# KiCad board SHEGO75-V3.kicad_pcb
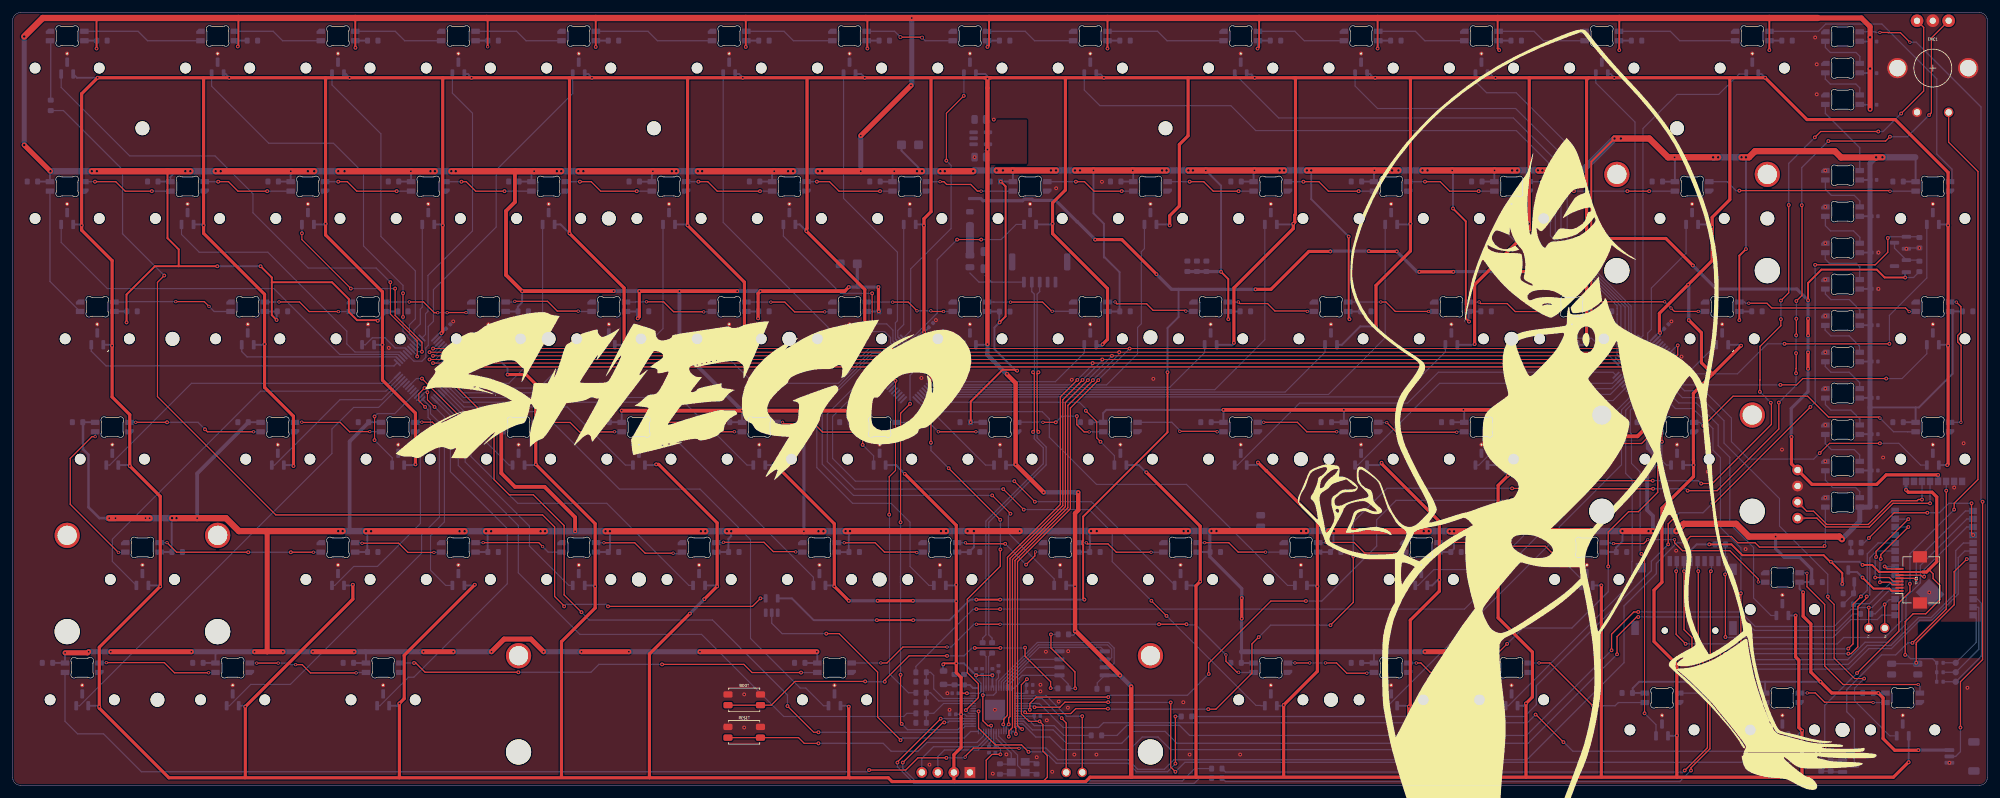
[diagram p0: board, top side]
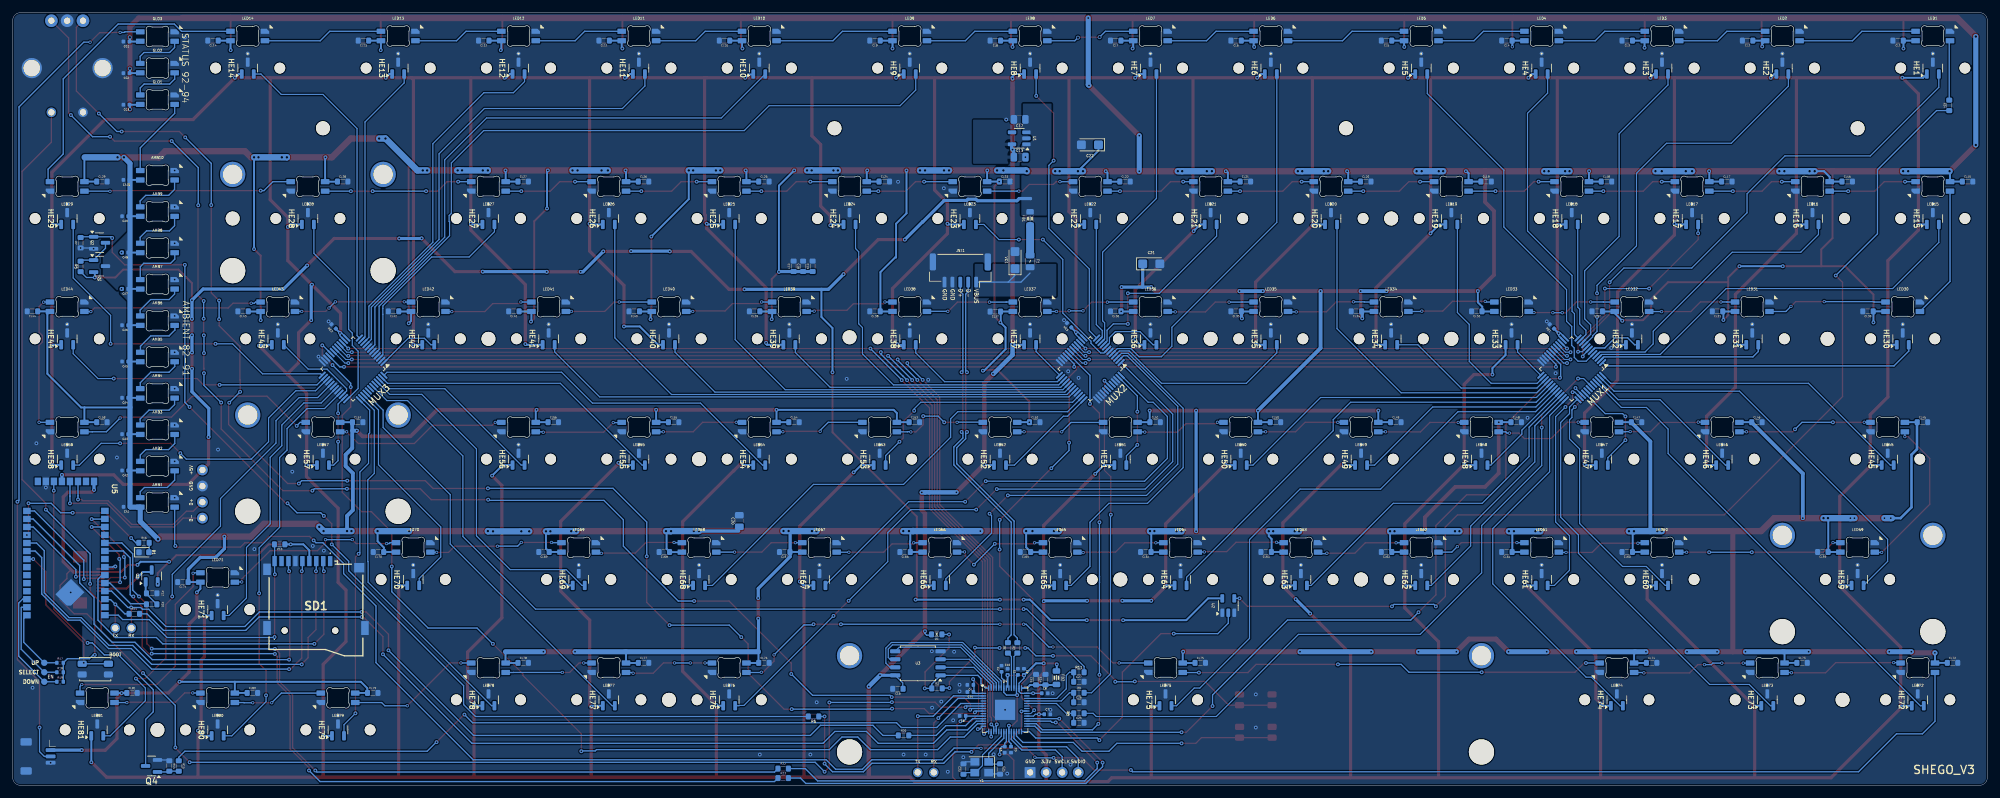
[diagram p1: board, bottom side, seen from below]

Outline 312.54 x 122.34 mm; copper layers: Top, Bottom. Coordinates in mm from the lower left corner of the outline.
Outline path: 0,121.09 arc(0.37,121.97) 1.25,122.34 311.29,122.34 arc(312.17,121.97) 312.54,121.09 312.54,1.25 arc(312.17,0.37) 311.29,0 1.25,0 arc(0.37,0.37) 0,1.25 0,121.09

## Placement (name value [footprint] x y rotation side)
AMB1  SK6812  [LED_6028R]  289.62 44.8 0 bottom
AMB2  SK6812  [LED_6028R]  289.62 50.55 0 bottom
AMB3  SK6812  [LED_6028R]  289.62 56.31 0 bottom
AMB4  SK6812  [LED_6028R]  289.62 62.06 0 bottom
AMB5  SK6812  [LED_6028R]  289.62 67.82 0 bottom
AMB6  SK6812  [LED_6028R]  289.62 73.57 0 bottom
AMB7  SK6812  [LED_6028R]  289.62 79.33 0 bottom
AMB8  SK6812  [LED_6028R]  289.62 85.08 0 bottom
AMB9  SK6812  [LED_6028R]  289.62 90.83 0 bottom
AMB10  SK6812  [LED_6028R]  289.62 96.59 0 bottom
BOOT1  BOOTSEL  [SW_SPST_EVQP2_MiddlePushTravel_H2.5mm]  115.79 13.54 0 top
C1  1u  [C_0402]  153.44 17.98 90 bottom
C2  0.1u  [C_0402]  156.03 18.47 90 bottom
C3  0.1u  [C_0402]  154.53 5.66 270 bottom
C4  0.1u  [C_0402]  160.96 15.91 0 bottom
C5  0.1u  [C_0402]  162.18 11.01 0 bottom
C6  0.1u  [C_0402]  155.53 5.66 270 bottom
C7  0.1u  [C_0402]  148.78 11.26 180 bottom
C8  0.1u  [C_0402]  149.18 14.58 180 bottom
C9  0.1u  [C_0402]  152.48 17.98 90 bottom
C10  0.1u  [C_0402]  155.07 17.98 90 bottom
C11  1u  [C_0402]  160.96 14.78 0 bottom
C12  4.7uF  [C_0805]  153.16 105.43 0 bottom
C13  10uF  [C_0805]  153.16 99.46 180 bottom
C14  10uF  [C_0603]  149.07 16.74 90 bottom
C15  0.1uF  [C_0603]  150.57 16.74 90 bottom
C16  0.1u  [C_0603]  172.43 15.29 0 bottom
C17  0.1u  [C_0603]  188.93 82.18 90 bottom
C18  10uF  [C_0603]  187.43 82.18 90 bottom
C19  10uF  [C_0603]  185.92 82.18 90 bottom
C20  47uF  [C_0805]  197.53 41.86 90 bottom
C21  47uF  [CP_EIA-3216-12_Kemet-S]  132.33 82.57 180 bottom
C22  47uF  [CP_EIA-3216-12_Kemet-S]  142.03 101.41 0 bottom
C23  30p  [C_0603]  162.05 2.59 270 bottom
C24  30p  [C_0603]  156.26 2.59 90 bottom
C25  DNP  [C_0603]  143.78 9.91 180 bottom
C26  DNP  [C_0603]  143.78 13.16 180 bottom
C27  DNP  [C_0603]  143.78 16.41 180 bottom
CA1  0.1uF  [C_0402]  294.51 44.1 0 bottom
CA2  0.1uF  [C_0402]  294.74 49.85 0 bottom
CA3  0.1uF  [C_0402]  294.74 55.6 0 bottom
CA4  0.1uF  [C_0402]  294.74 61.35 0 bottom
CA5  0.1uF  [C_0402]  294.74 67.1 0 bottom
CA6  0.1uF  [C_0402]  294.74 72.85 0 bottom
CA7  0.1uF  [C_0402]  294.74 78.6 0 bottom
CA8  0.1uF  [C_0402]  294.74 84.35 0 bottom
CA9  0.1uF  [C_0402]  294.74 90.1 0 bottom
CA10  0.1uF  [C_0402]  294.53 95.86 0 bottom
CG1  0.1uF  [C_0402]  294.53 117.76 0 bottom
CG2  0.1uF  [C_0402]  294.53 112.76 0 bottom
CG3  0.1uF  [C_0402]  294.53 107.76 0 bottom
CL1  0.1u  [C_0603]  14.13 117.91 0 bottom
CL2  0.1u  [C_0603]  37.94 117.91 0 bottom
CL3  0.1u  [C_0603]  56.99 117.91 0 bottom
CL4  0.1u  [C_0603]  76.04 117.91 0 bottom
CL5  0.1u  [C_0603]  95.09 117.91 0 bottom
CL6  0.1u  [C_0603]  118.91 117.91 0 bottom
CL7  0.1u  [C_0603]  137.96 117.91 0 bottom
CL8  0.1u  [C_0603]  157.01 117.91 0 bottom
CL9  0.1u  [C_0603]  176.06 117.91 0 bottom
CL10  0.1u  [C_0603]  199.87 117.91 0 bottom
CL11  0.1u  [C_0603]  218.92 117.91 0 bottom
CL12  0.1u  [C_0603]  237.97 117.91 0 bottom
CL13  0.1u  [C_0603]  257.02 117.91 0 bottom
CL14  0.1u  [C_0603]  280.83 117.91 0 bottom
CL15  0.1u  [C_0603]  3.13 95.59 180 bottom
CL16  0.1u  [C_0603]  22.18 95.59 180 bottom
CL17  0.1u  [C_0603]  41.23 95.59 180 bottom
CL18  0.1u  [C_0603]  60.28 95.59 180 bottom
CL19  0.1u  [C_0603]  79.33 95.59 180 bottom
CL20  0.1u  [C_0603]  98.38 95.59 180 bottom
CL21  0.1u  [C_0603]  117.43 95.59 180 bottom
CL22  0.1u  [C_0603]  136.48 95.59 180 bottom
CL23  0.1u  [C_0603]  155.53 95.59 180 bottom
CL24  0.1u  [C_0603]  174.58 95.59 180 bottom
CL25  0.1u  [C_0603]  193.63 95.59 180 bottom
CL26  0.1u  [C_0603]  212.68 95.59 180 bottom
CL27  0.1u  [C_0603]  231.73 95.59 180 bottom
CL28  0.1u  [C_0603]  260.31 95.59 180 bottom
CL29  0.1u  [C_0603]  298.41 95.59 180 bottom
CL30  0.1u  [C_0603]  18.89 75.04 0 bottom
CL31  0.1u  [C_0603]  42.71 75.04 0 bottom
CL32  0.1u  [C_0603]  61.76 75.04 0 bottom
CL33  0.1u  [C_0603]  80.81 75.04 0 bottom
CL34  0.1u  [C_0603]  99.86 75.04 0 bottom
CL35  0.1u  [C_0603]  118.91 75.04 0 bottom
CL36  0.1u  [C_0603]  137.96 75.04 0 bottom
CL37  0.1u  [C_0603]  157.01 75.01 0 bottom
CL38  0.1u  [C_0603]  176.06 75.04 0 bottom
CL39  0.1u  [C_0603]  195.11 75.04 0 bottom
CL40  0.1u  [C_0603]  214.16 75.04 0 bottom
CL41  0.1u  [C_0603]  233.21 75.04 0 bottom
CL42  0.1u  [C_0603]  252.26 75.04 0 bottom
CL43  0.1u  [C_0603]  276.07 75.04 0 bottom
CL44  0.1u  [C_0603]  309.41 75.04 0 bottom
CL45  0.1u  [C_0603]  10.28 57.49 180 bottom
CL46  0.1u  [C_0603]  36.47 57.49 180 bottom
CL47  0.1u  [C_0603]  55.52 57.49 180 bottom
CL48  0.1u  [C_0603]  74.57 57.49 180 bottom
CL49  0.1u  [C_0603]  93.62 57.49 180 bottom
CL50  0.1u  [C_0603]  112.67 57.49 180 bottom
CL51  0.1u  [C_0603]  131.72 57.49 180 bottom
CL52  0.1u  [C_0603]  150.77 57.49 180 bottom
CL53  0.1u  [C_0603]  169.82 57.49 180 bottom
CL54  0.1u  [C_0603]  188.87 57.49 180 bottom
CL55  0.1u  [C_0603]  207.92 57.49 180 bottom
CL56  0.1u  [C_0603]  226.97 57.49 180 bottom
CL57  0.1u  [C_0603]  257.93 57.49 180 bottom
CL58  0.1u  [C_0603]  298.41 57.49 180 bottom
CL59  0.1u  [C_0603]  26.04 36.94 0 bottom
CL60  0.1u  [C_0603]  56.99 36.94 0 bottom
CL61  0.1u  [C_0603]  76.04 36.94 0 bottom
CL62  0.1u  [C_0603]  95.09 36.94 0 bottom
CL63  0.1u  [C_0603]  114.14 36.94 0 bottom
CL64  0.1u  [C_0603]  133.19 36.94 0 bottom
CL65  0.1u  [C_0603]  152.24 36.94 0 bottom
CL66  0.1u  [C_0603]  171.29 36.94 0 bottom
CL67  0.1u  [C_0603]  190.34 36.94 0 bottom
CL68  0.1u  [C_0603]  209.39 36.94 0 bottom
CL69  0.1u  [C_0603]  228.44 36.94 0 bottom
CL70  0.1u  [C_0603]  254.64 36.94 0 bottom
CL71  0.1u  [C_0603]  285.59 32.18 0 bottom
CL72  0.1u  [C_0603]  5.51 19.39 180 bottom
CL73  0.1u  [C_0603]  29.33 19.39 180 bottom
CL74  0.1u  [C_0603]  53.14 19.39 180 bottom
CL75  0.1u  [C_0603]  124.58 19.39 180 bottom
CL76  0.1u  [C_0603]  193.63 19.39 180 bottom
CL77  0.1u  [C_0603]  212.68 19.39 180 bottom
CL78  0.1u  [C_0603]  231.73 19.39 180 bottom
CL79  0.1u  [C_0603]  255.54 14.63 180 bottom
CL80  0.1u  [C_0603]  274.59 14.63 180 bottom
CL81  0.1u  [C_0603]  293.64 14.63 180 bottom
D1  RED  [LED_0603_1608Metric]  291.75 36.91 180 bottom
ENC1  RotaryEncoder_Switch_MP  [RotaryEncoder_Alps_EC11E_Vertical_H20mm_CircularMountingHoles]  303.91 113.56 0 top
ESP_BOOT1  ESP_BOOT  [SW_SPST_EVQP2_MiddlePushTravel_H2.5mm#2]  299.46 18.41 180 bottom
F1  1.1A  [Fuse_PPTC_0805]  151.51 82.97 90 bottom
FB1  600R  [Ferrite_0805]  151.51 89.74 90 bottom
FB2  600R  [Ferrite_0805]  147.33 17.04 270 bottom
G***  -  [LOGO]  245.19 63.78 0 top
G***#2  -  [LOGO]  106.15 61.7 0 top
GLO1  SK6812  [LED_6028R]  289.62 108.56 0 bottom
GLO2  SK6812  [LED_6028R]  289.62 113.56 0 bottom
GLO3  SK6812  [LED_6028R]  289.62 118.56 0 bottom
HE1  49E  [SW_MX_HE_90deg_1u_Rules]  8.63 113.56 180 bottom
HE2  49E  [SW_MX_HE_90deg_1u_Rules]  32.44 113.56 180 bottom
HE3  49E  [SW_MX_HE_90deg_1u_Rules]  51.49 113.56 180 bottom
HE4  49E  [SW_MX_HE_90deg_1u_Rules]  70.54 113.56 180 bottom
HE5  49E  [SW_MX_HE_90deg_1u_Rules]  89.59 113.56 180 bottom
HE6  49E  [SW_MX_HE_90deg_1u_Rules]  113.41 113.56 180 bottom
HE7  49E  [SW_MX_HE_90deg_1u_Rules]  132.46 113.56 180 bottom
HE8  49E  [SW_MX_HE_90deg_1u_Rules]  151.51 113.56 180 bottom
HE9  49E  [SW_MX_HE_90deg_1u_Rules]  170.56 113.56 180 bottom
HE10  49E  [SW_MX_HE_90deg_1u_Rules]  194.37 113.56 180 bottom
HE11  49E  [SW_MX_HE_90deg_1u_Rules]  213.42 113.56 180 bottom
HE12  49E  [SW_MX_HE_90deg_1u_Rules]  232.47 113.56 180 bottom
HE13  49E  [SW_MX_HE_90deg_1u_Rules]  251.52 113.56 180 bottom
HE14  49E  [SW_MX_HE_90deg_1u_Rules]  275.33 113.56 180 bottom
HE15  49E  [SW_MX_HE_90deg_1u_Rules]  8.63 89.74 180 bottom
HE16  49E  [SW_MX_HE_90deg_1u_Rules]  27.68 89.74 180 bottom
HE17  49E  [SW_MX_HE_90deg_1u_Rules]  46.73 89.74 180 bottom
HE18  49E  [SW_MX_HE_90deg_1u_Rules]  65.78 89.74 180 bottom
HE19  49E  [SW_MX_HE_90deg_1u_Rules]  84.83 89.74 180 bottom
HE20  49E  [SW_MX_HE_90deg_1u_Rules]  103.88 89.74 180 bottom
HE21  49E  [SW_MX_HE_90deg_1u_Rules]  122.93 89.74 180 bottom
HE22  49E  [SW_MX_HE_90deg_1u_Rules]  141.98 89.74 180 bottom
HE23  49E  [SW_MX_HE_90deg_1u_Rules]  161.03 89.74 180 bottom
HE24  49E  [SW_MX_HE_90deg_1u_Rules]  180.08 89.74 180 bottom
HE25  49E  [SW_MX_HE_90deg_1u_Rules]  199.13 89.74 180 bottom
HE26  49E  [SW_MX_HE_90deg_1u_Rules]  218.18 89.74 180 bottom
HE27  49E  [SW_MX_HE_90deg_1u_Rules]  237.23 89.74 180 bottom
HE28  49E  [SW_MX_HE_90deg_2.00u_Rules]  265.81 89.74 180 bottom
HE29  49E  [SW_MX_HE_90deg_1u_Rules]  303.91 89.74 180 bottom
HE30  49E  [SW_MX_HE_90deg_1.5u_Rules]  13.39 70.69 180 bottom
HE31  49E  [SW_MX_HE_90deg_1u_Rules]  37.21 70.69 180 bottom
HE32  49E  [SW_MX_HE_90deg_1u_Rules]  56.26 70.69 180 bottom
HE33  49E  [SW_MX_HE_90deg_1u_Rules]  75.31 70.69 180 bottom
HE34  49E  [SW_MX_HE_90deg_1u_Rules]  94.36 70.69 180 bottom
HE35  49E  [SW_MX_HE_90deg_1u_Rules]  113.41 70.69 180 bottom
HE36  49E  [SW_MX_HE_90deg_1u_Rules]  132.46 70.69 180 bottom
HE37  49E  [SW_MX_HE_90deg_1u_Rules]  151.51 70.69 180 bottom
HE38  49E  [SW_MX_HE_90deg_1u_Rules]  170.56 70.69 180 bottom
HE39  49E  [SW_MX_HE_90deg_1u_Rules]  189.61 70.69 180 bottom
HE40  49E  [SW_MX_HE_90deg_1u_Rules]  208.66 70.69 180 bottom
HE41  49E  [SW_MX_HE_90deg_1u_Rules]  227.71 70.69 180 bottom
HE42  49E  [SW_MX_HE_90deg_1u_Rules]  246.76 70.69 180 bottom
HE43  49E  [SW_MX_HE_90deg_1.5u_Rules]  270.57 70.69 180 bottom
HE44  49E  [SW_MX_HE_90deg_1u_Rules]  303.91 70.69 180 bottom
HE45  49E  [SW_MX_HE_90deg_1.75u_Rules]  15.78 51.64 180 bottom
HE46  49E  [SW_MX_HE_90deg_1u_Rules]  41.97 51.64 180 bottom
HE47  49E  [SW_MX_HE_90deg_1u_Rules]  61.02 51.64 180 bottom
HE48  49E  [SW_MX_HE_90deg_1u_Rules]  80.07 51.64 180 bottom
HE49  49E  [SW_MX_HE_90deg_1u_Rules]  99.12 51.64 180 bottom
HE50  49E  [SW_MX_HE_90deg_1u_Rules]  118.17 51.64 180 bottom
HE51  49E  [SW_MX_HE_90deg_1u_Rules]  137.22 51.64 180 bottom
HE52  49E  [SW_MX_HE_90deg_1u_Rules]  156.27 51.64 180 bottom
HE53  49E  [SW_MX_HE_90deg_1u_Rules]  175.32 51.64 180 bottom
HE54  49E  [SW_MX_HE_90deg_1u_Rules]  194.37 51.64 180 bottom
HE55  49E  [SW_MX_HE_90deg_1u_Rules]  213.42 51.64 180 bottom
HE56  49E  [SW_MX_HE_90deg_1u_Rules]  232.47 51.64 180 bottom
HE57  49E  [SW_MX_HE_90deg_2.25u_Rules]  263.43 51.64 180 bottom
HE58  49E  [SW_MX_HE_90deg_1u_Rules]  303.91 51.64 180 bottom
HE59  49E  [SW_MX_HE_90deg_2.25u_Rules]  20.54 32.59 180 bottom
HE60  49E  [SW_MX_HE_90deg_1u_Rules]  51.49 32.59 180 bottom
HE61  49E  [SW_MX_HE_90deg_1u_Rules]  70.54 32.59 180 bottom
HE62  49E  [SW_MX_HE_90deg_1u_Rules]  89.59 32.59 180 bottom
HE63  49E  [SW_MX_HE_90deg_1u_Rules]  108.64 32.59 180 bottom
HE64  49E  [SW_MX_HE_90deg_1u_Rules]  127.69 32.59 180 bottom
HE65  49E  [SW_MX_HE_90deg_1u_Rules]  146.74 32.59 180 bottom
HE66  49E  [SW_MX_HE_90deg_1u_Rules]  165.79 32.59 180 bottom
HE67  49E  [SW_MX_HE_90deg_1u_Rules]  184.84 32.59 180 bottom
HE68  49E  [SW_MX_HE_90deg_1u_Rules]  203.89 32.59 180 bottom
HE69  49E  [SW_MX_HE_90deg_1u_Rules]  222.94 32.59 180 bottom
HE70  49E  [SW_MX_HE_90deg_1.75u_Rules]  249.14 32.59 180 bottom
HE71  49E  [SW_MX_HE_90deg_1u_Rules]  280.09 27.83 180 bottom
HE72  49E  [SW_MX_HE_90deg_1.25u_Rules]  11.01 13.54 180 bottom
HE73  49E  [SW_MX_HE_90deg_1.25u_Rules]  34.83 13.54 180 bottom
HE74  49E  [SW_MX_HE_90deg_1.25u_Rules]  58.64 13.54 180 bottom
HE75  49E  [SW_MX_HE_90deg_6.25u_Rules]  130.08 13.54 180 bottom
HE76  49E  [SW_MX_HE_90deg_1u_Rules]  199.13 13.54 180 bottom
HE77  49E  [SW_MX_HE_90deg_1u_Rules]  218.18 13.54 180 bottom
HE78  49E  [SW_MX_HE_90deg_1u_Rules]  237.23 13.54 180 bottom
HE79  49E  [SW_MX_HE_90deg_1u_Rules]  261.04 8.78 180 bottom
HE80  49E  [SW_MX_HE_90deg_1u_Rules]  280.09 8.78 180 bottom
HE81  49E  [SW_MX_HE_90deg_1u_Rules]  299.14 8.78 180 bottom
J1  LED_EXP  [JST_SH_SM03B-SRSS-TB_1x03-1MP_P1.00mm_Horizontal]  308.53 4.58 270 bottom
JST1  MOMMY  [JST_GH_SM05B-GHS-TB_1x05-1MP_P1.25mm_Horizontal]  162.55 81.52 0 bottom
LED1  SK6812  [LED_6028R]  8.63 118.64 0 bottom
LED2  SK6812  [LED_6028R]  32.44 118.64 0 bottom
LED3  SK6812  [LED_6028R]  51.49 118.64 0 bottom
LED4  SK6812  [LED_6028R]  70.54 118.64 0 bottom
LED5  SK6812  [LED_6028R]  89.59 118.64 0 bottom
LED6  SK6812  [LED_6028R]  113.41 118.64 0 bottom
LED7  SK6812  [LED_6028R]  132.46 118.64 0 bottom
LED8  SK6812  [LED_6028R]  151.51 118.64 0 bottom
LED9  SK6812  [LED_6028R]  170.56 118.64 0 bottom
LED10  SK6812  [LED_6028R]  194.37 118.64 0 bottom
LED11  SK6812  [LED_6028R]  213.42 118.64 0 bottom
LED12  SK6812  [LED_6028R]  232.47 118.64 0 bottom
LED13  SK6812  [LED_6028R]  251.52 118.64 0 bottom
LED14  SK6812  [LED_6028R]  275.33 118.64 0 bottom
LED15  SK6812  [LED_6028R]  8.63 94.82 180 bottom
LED16  SK6812  [LED_6028R]  27.68 94.82 180 bottom
LED17  SK6812  [LED_6028R]  46.73 94.82 180 bottom
LED18  SK6812  [LED_6028R]  65.78 94.82 180 bottom
LED19  SK6812  [LED_6028R]  84.83 94.82 180 bottom
LED20  SK6812  [LED_6028R]  103.88 94.82 180 bottom
LED21  SK6812  [LED_6028R]  122.93 94.82 180 bottom
LED22  SK6812  [LED_6028R]  141.98 94.82 180 bottom
LED23  SK6812  [LED_6028R]  161.03 94.82 180 bottom
LED24  SK6812  [LED_6028R]  180.08 94.82 180 bottom
LED25  SK6812  [LED_6028R]  199.13 94.82 180 bottom
LED26  SK6812  [LED_6028R]  218.18 94.82 180 bottom
LED27  SK6812  [LED_6028R]  237.23 94.82 180 bottom
LED28  SK6812  [LED_6028R]  265.81 94.82 180 bottom
LED29  SK6812  [LED_6028R]  303.91 94.82 180 bottom
LED30  SK6812  [LED_6028R]  13.39 75.77 0 bottom
LED31  SK6812  [LED_6028R]  37.21 75.77 0 bottom
LED32  SK6812  [LED_6028R]  56.26 75.77 0 bottom
LED33  SK6812  [LED_6028R]  75.31 75.77 0 bottom
LED34  SK6812  [LED_6028R]  94.36 75.77 0 bottom
LED35  SK6812  [LED_6028R]  113.41 75.77 0 bottom
LED36  SK6812  [LED_6028R]  132.46 75.77 0 bottom
LED37  SK6812  [LED_6028R]  151.51 75.77 0 bottom
LED38  SK6812  [LED_6028R]  170.56 75.77 0 bottom
LED39  SK6812  [LED_6028R]  189.61 75.77 0 bottom
LED40  SK6812  [LED_6028R]  208.66 75.77 0 bottom
LED41  SK6812  [LED_6028R]  227.71 75.77 0 bottom
LED42  SK6812  [LED_6028R]  246.76 75.77 0 bottom
LED43  SK6812  [LED_6028R]  270.57 75.77 0 bottom
LED44  SK6812  [LED_6028R]  303.91 75.77 0 bottom
LED45  SK6812  [LED_6028R]  15.78 56.72 180 bottom
LED46  SK6812  [LED_6028R]  41.97 56.72 180 bottom
LED47  SK6812  [LED_6028R]  61.02 56.72 180 bottom
LED48  SK6812  [LED_6028R]  80.07 56.72 180 bottom
LED49  SK6812  [LED_6028R]  99.12 56.72 180 bottom
LED50  SK6812  [LED_6028R]  118.17 56.72 180 bottom
LED51  SK6812  [LED_6028R]  137.22 56.72 180 bottom
LED52  SK6812  [LED_6028R]  156.27 56.72 180 bottom
LED53  SK6812  [LED_6028R]  175.32 56.72 180 bottom
LED54  SK6812  [LED_6028R]  194.37 56.72 180 bottom
LED55  SK6812  [LED_6028R]  213.42 56.72 180 bottom
LED56  SK6812  [LED_6028R]  232.47 56.72 180 bottom
LED57  SK6812  [LED_6028R]  263.43 56.72 180 bottom
LED58  SK6812  [LED_6028R]  303.91 56.72 180 bottom
LED59  SK6812  [LED_6028R]  20.54 37.67 0 bottom
LED60  SK6812  [LED_6028R]  51.49 37.67 0 bottom
LED61  SK6812  [LED_6028R]  70.54 37.67 0 bottom
LED62  SK6812  [LED_6028R]  89.59 37.67 0 bottom
LED63  SK6812  [LED_6028R]  108.64 37.67 0 bottom
LED64  SK6812  [LED_6028R]  127.69 37.67 0 bottom
LED65  SK6812  [LED_6028R]  146.74 37.67 0 bottom
LED66  SK6812  [LED_6028R]  165.79 37.67 0 bottom
LED67  SK6812  [LED_6028R]  184.84 37.67 0 bottom
LED68  SK6812  [LED_6028R]  203.89 37.67 0 bottom
LED69  SK6812  [LED_6028R]  222.94 37.67 0 bottom
LED70  SK6812  [LED_6028R]  249.14 37.67 0 bottom
LED71  SK6812  [LED_6028R]  280.09 32.91 0 bottom
LED72  SK6812  [LED_6028R]  11.01 18.62 180 bottom
LED73  SK6812  [LED_6028R]  34.83 18.62 180 bottom
LED74  SK6812  [LED_6028R]  58.64 18.62 180 bottom
LED75  SK6812  [LED_6028R]  130.08 18.62 180 bottom
LED76  SK6812  [LED_6028R]  199.13 18.62 180 bottom
LED77  SK6812  [LED_6028R]  218.18 18.62 180 bottom
LED78  SK6812  [LED_6028R]  237.23 18.62 180 bottom
LED79  SK6812  [LED_6028R]  261.04 13.86 180 bottom
LED80  SK6812  [LED_6028R]  280.09 13.86 180 bottom
LED81  SK6812  [LED_6028R]  299.14 13.86 180 bottom
MC1  0.1uF  [C_0402]  68.93 72.66 45 bottom
MC2  0.1uF  [C_0402]  261.73 72.66 45 bottom
MC3  0.1uF  [C_0402]  145.33 72.86 45 bottom
MUX1  ADG732BSUZ  [TQFP-48_7x7mm_P0.5mm]  65.78 65.93 315 bottom
MUX2  ADG732BSUZ  [TQFP-48_7x7mm_P0.5mm]  141.98 65.93 315 bottom
MUX3  ADG732BSUZ  [TQFP-48_7x7mm_P0.5mm]  258.66 65.93 315 bottom
Q1  AO3401A  [SOT-23]  298.78 82.21 180 bottom
Q2  BSS138  [SOT-23]  298.78 85.91 180 bottom
Q3  AO3401A  [SOT-23]  290.53 33.16 90 bottom
Q4  BSS138  [SOT-23]  290.56 3.07 0 bottom
R1  27  [R_0603]  155.02 21.77 270 bottom
R2  27  [R_0603]  153.52 21.77 90 bottom
R3  1k  [R_0603]  166.24 15.36 180 bottom
R4  DNP  [R_0603]  166.28 23.91 0 bottom
R5  100K  [R_0603]  301.78 82.16 270 bottom
R6  100K  [R_0603]  185.78 10.91 0 bottom
R7  1M  [R_0603]  301.78 85.91 90 bottom
R8  100  [R_0603]  143.78 11.41 180 bottom
R9  100  [R_0603]  143.78 14.66 180 bottom
R10  100  [R_0603]  290.53 28.66 180 bottom
R11  100  [R_0603]  143.78 17.91 180 bottom
R12  100K  [R_0603]  290.53 30.41 0 bottom
R13  10k  [R_0603]  270.28 38.16 180 bottom
R14  100K  [R_0603]  286.24 3.07 90 bottom
R15  1M  [R_0603]  287.74 3.07 270 bottom
R16  2K  [R_0603]  291.75 38.41 180 bottom
R17  12K  [R_0402]  305.03 19.41 180 bottom
R18  12K  [R_0402]  305.03 17.91 180 bottom
R19  12K  [R_0402]  305.03 16.41 180 bottom
R20  47  [R_0603]  171.53 7.91 180 bottom
R21  47  [R_0603]  293.28 27.16 180 bottom
R22  0  [R_0603]  190.58 2.66 180 bottom
R23  0  [R_0603]  190.58 1.16 180 bottom
R24  330  [R_0603]  6.03 107.66 90 bottom
REF**  -  [MountingHole_2.2mm_M2]  182.46 104.03 0 top
REF**#2  -  [MountingHole_2.2mm_M2]  99.12 32.59 0 top
REF**#3  -  [MountingHole_2.2mm_M2]  122.93 70.69 0 top
REF**#4  -  [MountingHole_2.2mm_M2]  263.43 104.03 0 top
REF**#5  -  [STAB_MX_P_2u]  265.81 89.74 0 top
REF**#6  -  [MountingHole_2.2mm_M2]  237.23 70.69 0 top
REF**#7  -  [MountingHole_2.2mm_M2]  277.71 89.74 0 top
REF**#8  -  [MountingHole_2.2mm_M2]  208.66 13.54 0 top
REF**#9  -  [MountingHole_2.2mm_M2]  22.92 13.54 0 top
REF**#10  -  [MountingHole_2.2mm_M2]  180.08 70.94 0 top
REF**#11  -  [MountingHole_2.2mm_M2]  25.3 70.69 0 top
REF**#12  -  [MountingHole_2.2mm_M2]  94.36 89.74 0 top
REF**#13  -  [MountingHole_2.2mm_M2]  101.5 104.03 0 top
REF**#14  -  [MountingHole_2.2mm_M2]  20.54 104.03 0 top
REF**#15  -  [STAB_MX_P_2u]  263.43 51.64 0 top
REF**#16  -  [STAB_MX_P_6.25u]  130.08 13.54 0 top
REF**#17  -  [MountingHole_2.2mm_M2]  137.22 32.59 0 top
REF**#18  -  [MountingHole_2.2mm_M2]  84.83 70.69 0 top
REF**#19  -  [MountingHole_2.2mm_M2]  289.62 8.78 0 top
REF**#20  -  [MountingHole_2.2mm_M2]  203.89 51.64 0 top
REF**#21  -  [STAB_MX_P_2u]  20.54 32.59 0 top
RES1  RESET  [SW_SPST_EVQP2_MiddlePushTravel_H2.5mm]  115.78 8.41 0 top
SD1  MSD-1-A  [MSD1A]  264.53 28.41 180 bottom
SWD1  DEBUG  [SWD_Debug_PinHeader_1x04_P2.54mm#2]  151.51 2.05 90 bottom
SWD2  ESP_FLASH  [SWD_Debug_PinHeader_1x04_P2.54mm]  282.5 42.31 180 top
TFT1  FPC_8P  [TFT_FPC_8P_0.5mm]  300.48 32.53 90 top
TP1  MENU_UP  [TestPoint_Pad_04]  307.53 19.41 180 bottom
TP2  MENU_DOWN  [TestPoint_Pad_04]  307.53 17.91 180 bottom
TP3  MENU_SELECT  [TestPoint_Pad_04]  307.53 16.41 180 bottom
U1  AP2112K-3.3  [SOT-23-5]  153.23 102.45 0 bottom
U2  SN74LV1T125DBV  [SOT-23-5]  120.14 28.47 90 bottom
U3  W25Q128JVS  [SOIC-8_5.3x5.3mm_P1.27mm]  169.26 19.32 0 bottom
U4  RP2040  [QFN-56-1EP_7x7mm_P0.4mm_EP3.2x3.2mm]  155.46 11.96 180 bottom
U5  -  [TinyPICO_Nano]  310.38 48.22 270 bottom
UART1  RP_UART  [UART_PinHeader_1x02_P2.54mm]  169.29 2.05 270 top
UART2  RP_UART  [UART_PinHeader_1x02_P2.54mm]  293.76 24.91 90 top
VC1  47uF  [CP_EIA-3216-12_Kemet-S]  153.89 83.16 90 bottom
Y1  12MHz  [Crystal_SMD_3225-4Pin_3.2x2.5mm]  159.16 2.87 0 bottom

## Library data of the parts
AMB1-AMB10 GLO1-GLO3 LED1-LED81 = -: Description: Reverse mount adressable LED (WS2812 protocol); LCSC: C5149201
BOOT1 ESP_BOOT1 RES1 = -: Description: Push button switch, generic, two pins
C1-C20 C25-C27 CA1-CA10 CG1-CG3 CL1-CL81 MC1-MC3 = -: Description: Unpolarized capacitor, small symbol; ki_fp_filters: C_*
C21 C22 VC1 = -: Description: Polarized capacitor, small symbol; ki_fp_filters: CP_*
C23 C24 = -: Description: Unpolarized capacitor, small symbol; LCSC: C1658; ki_fp_filters: C_*
D1 = -: Description: SMD LED, 0603, Alternate KiCad Library; ki_fp_filters: LED* LED_SMD:* LED_THT:*
ENC1 = -: Description: Rotary encoder, dual channel, incremental quadrate outputs, with switch and MP Pin; ki_fp_filters: RotaryEncoder*Switch*
F1 = -: Description: Resettable fuse, polymeric positive temperature coefficient, small symbol; ki_fp_filters: *polyfuse* *PTC*
FB1 FB2 = -: Description: Ferrite bead, small symbol; ki_fp_filters: Inductor_* L_* *Ferrite*
HE1-HE81 = -: Datasheet: https://wmsc.lcsc.com/wmsc/upload/file/pdf/v2/lcsc/2310271810_Hallwee-HAL9303SO_C19089525.pdf; Description: Hall effect switch, bipolar, -+1000Gs, 4.7mV/Gs, -40C to +150C, SOT-23; LCSC: C7420984; ki_fp_filters: SOT?23*
J1 = -: Description: Generic connectable mounting pin connector, single row, 01x03, script generated (kicad-library-utils/schlib/autogen/connector/); Specifications: HEADER 1x3 MALE PINS 0.100” 180deg; Manufacturer: TAD; Part Number: 1-0301FBV0T; ki_fp_filters: Connector*:*_1x??-1MP*
JST1 = -: Description: Generic connectable mounting pin connector, single row, 01x05, script generated (kicad-library-utils/schlib/autogen/connector/); ki_fp_filters: Connector*:*_1x??-1MP*
MUX1-MUX3 = -: Description: Analog Multiplexer Single 32: 1 48-Pin TQFP Tray; MF: Analog Devices; DESCRIPTION: Analog Multiplexer Single 32: 1 48-Pin TQFP Tray; PACKAGE: TQFP-48 Analog Devices; PRICE: None; Package: TQFP -48 Analog Devices; Check_prices: https://www.snapeda.com/parts/ADG732BSUZ/Analog+Devices/view-part/?ref=eda; STANDARD: IPC7351B; SnapEDA_Link: https://www.snapeda.com/parts/ADG732BSUZ/Analog+Devices/view-part/?ref=snap; Availability: In Stock; Price: None; Description_1: 32-Channel, 4 Ω 1.8 V to 5.5 V, ±2.5 V, Analog Multiplexer; LCSC: C114845
Q1 Q3 = -: Datasheet: http://www.aosmd.com/pdfs/datasheet/AO3401A.pdf; Description: -4.0A Id, -30V Vds, P-Channel MOSFET, SOT-23; ki_fp_filters: SOT?23*
Q2 Q4 = -: Datasheet: https://www.onsemi.com/pub/Collateral/BSS138-D.PDF; Description: 50V Vds, 0.22A Id, N-Channel MOSFET, SOT-23; ki_fp_filters: SOT?23*
R1-R23 = -: Description: Resistor, small symbol; ki_fp_filters: R_*
R24 = -: Description: Resistor; ki_fp_filters: R_*
SD1 = -: Datasheet: https://www.sameskydevices.com/product/resource/msd-1-a.pdf; Description: Micro SD Card Connector, 9 Positions, Connector and Ejector, Push In, Auto Eject Out, Surface Mount, 1.8 mm Height Above Board, Gold Flash; Height: 2; Manufacturer_Name: Same Sky; Mouser Part Number: 179-MSD-1-A; Mouser Price/Stock: https://www.mouser.co.uk/ProductDetail/Same-Sky/MSD-1-A?qs=Z%252BL2brAPG1Ip18XLC4tUPQ%3D%3D; Arrow Price/Stock: https://www.arrow.com/en/products/msd-1-a/cui-devices?utm_currency=USD&region=nac
SWD1 = -: Description: HEADER 1x4 MALE PINS 0.100” 180deg; Specifications: HEADER 1x4 MALE PINS 0.100” 180deg; Manufacturer: TAD; Part Number: 1-0401FBV0T; ki_fp_filters: Connector*:*_??x*mm* Connector*:*1x??x*mm* Pin?Header?Straight?1X* Pin?Header?Angled?1X* Socket?Strip?Straight?1X* Socket?Strip?Angled?1X*
SWD2 = -: Description: SWD DEBUG HEADER 1x4 MALE PINS 2.54mm” 180deg; Specifications: HEADER 1x4 MALE PINS 2.54mm” 180deg; Manufacturer: TAD; Part Number: 1-0401FBV0T; ki_fp_filters: Connector*:*_??x*mm* Connector*:*1x??x*mm* Pin?Header?Straight?1X* Pin?Header?Angled?1X* Socket?Strip?Straight?1X* Socket?Strip?Angled?1X*
TFT1 = -: Description: 8 pin, 0.5mm pitch FPC connector; ki_fp_filters: Connector*:*_1x??_*
TP1-TP3 = -: Description: test point; ki_fp_filters: Pin* Test*
U1 = -: Datasheet: https://www.diodes.com/assets/Datasheets/AP2112.pdf; Description: 600mA low dropout linear regulator, with enable pin, 3.8V-6V input voltage range, 3.3V fixed positive output, SOT-23-5; ki_fp_filters: SOT?23?5*
U2 = -: Datasheet: https://www.ti.com/lit/ds/symlink/sn74lv1t125.pdf; Description: Single Power Supply, Single Buffer Gate with 3-State Output, CMOS Logic Level Shifter Level Shifter, SOT-23-5; ki_fp_filters: SOT?23*
U3 = -: Datasheet: https://www.winbond.com/resource-files/w25q128jv_dtr%20revc%2003272018%20plus.pdf; Description: 128Mbit / 16MiB Serial Flash Memory, Standard/Dual/Quad SPI, 2.7-3.6V, SOIC-8; ki_fp_filters: *SOIC*5.3x5.3mm*P1.27mm*